# Altium PCB Yun75.PcbDoc (part 1 of 3) (continued)
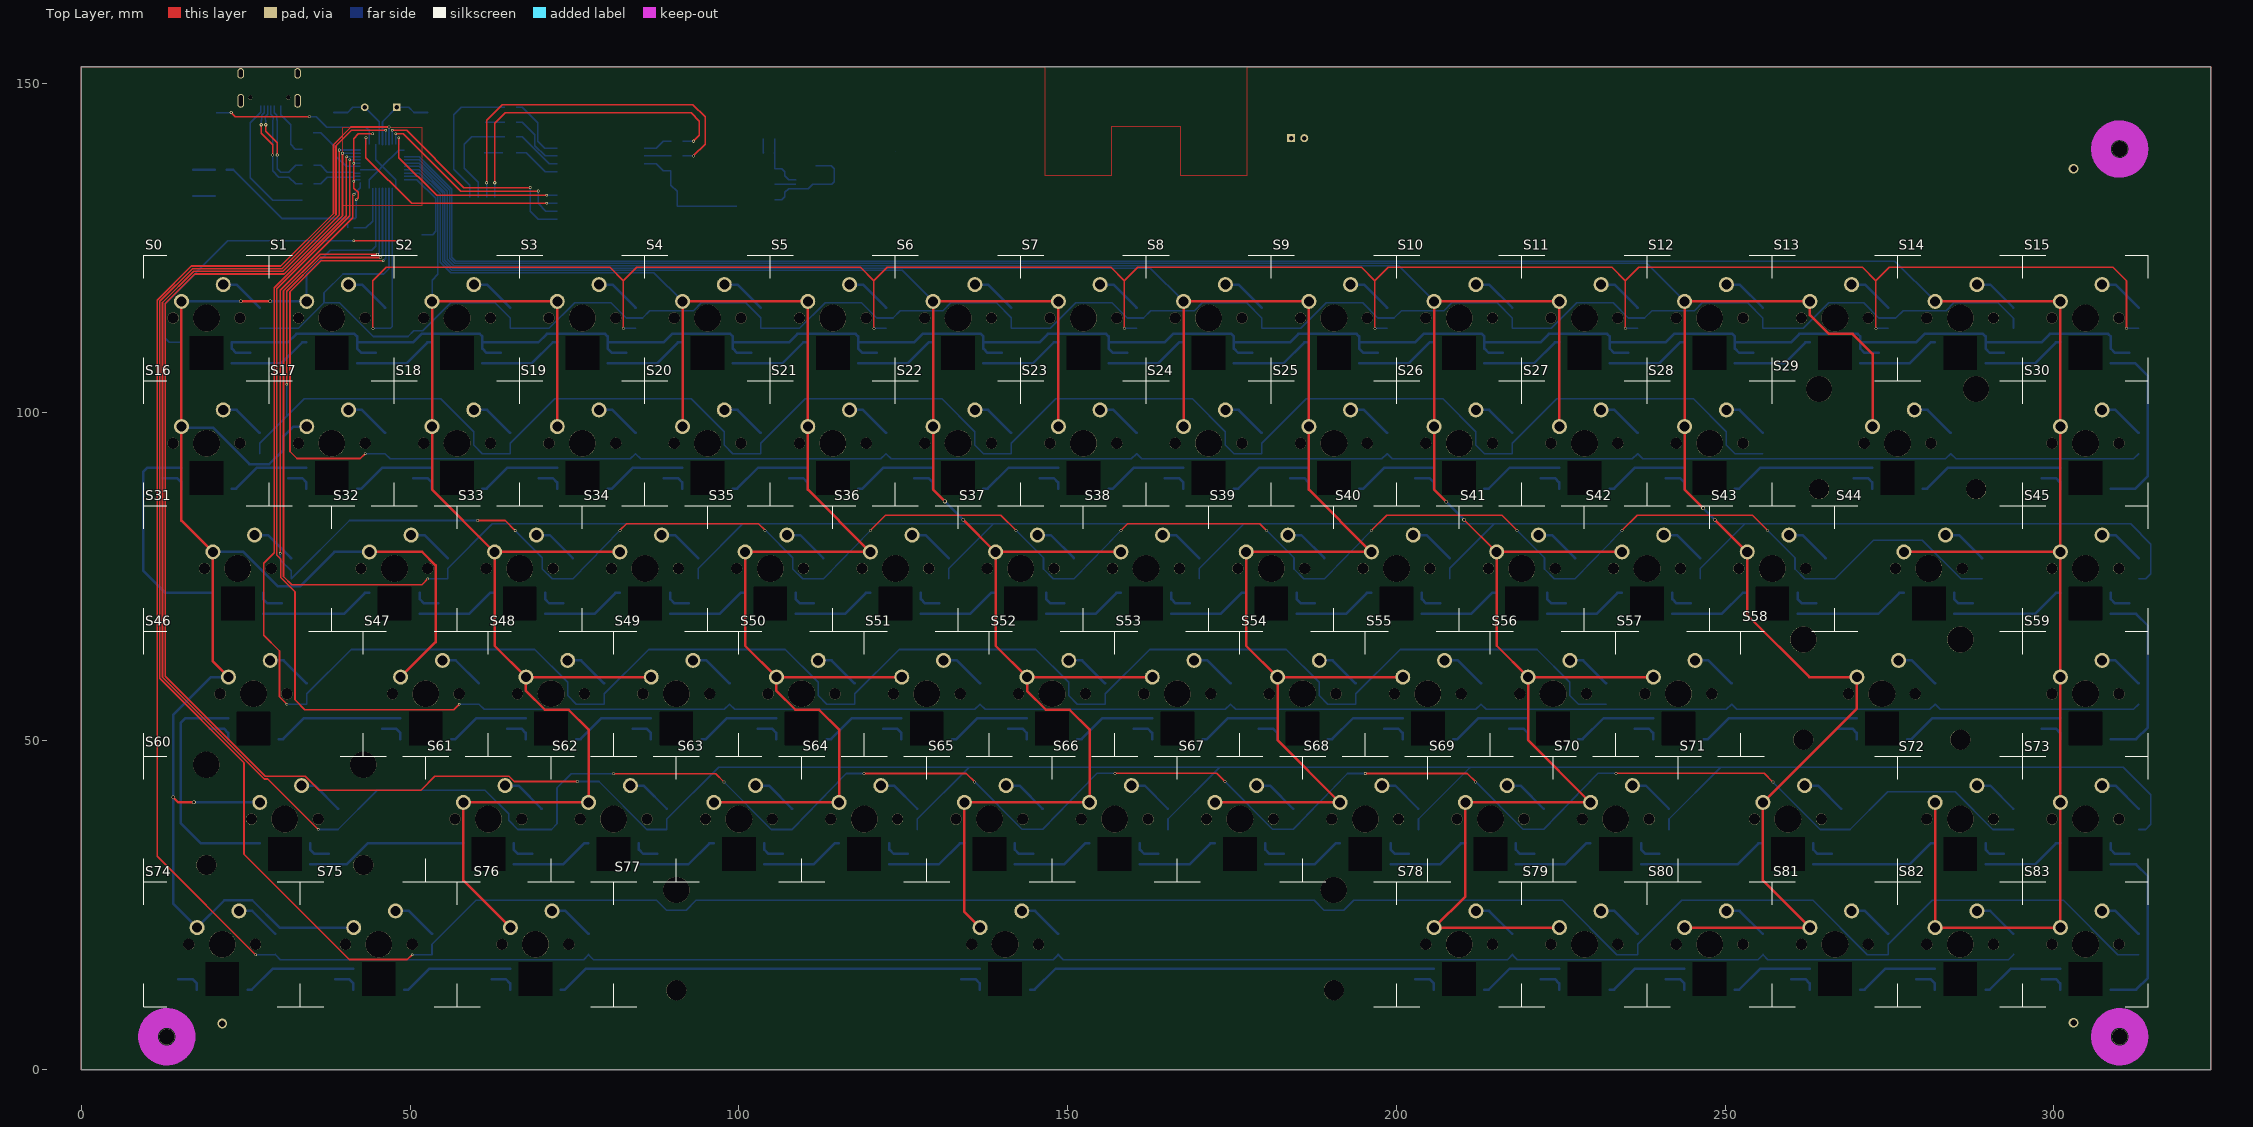
[diagram p0: Top Layer view]
## Classes and differential pairs (continued)
net class C20_Nets: GND VDD
net class C19_Nets: GND VDD
net class C18_Nets: GND VDD
net class C17_Nets: GND VDD
net class C7_Nets: GND NetC7_2
net class C6_Nets: GND NetC6_2
net class C5_Nets: GND NetC5_2
net class C4_Nets: GND VDD
net class C3_Nets: GND VDD
net class C2_Nets: GND VDD
net class C1_Nets: GND VDD
net class C0_Nets: GND NetC0_2
component class RGB_Matrix: C17 C18 C19 C20 C21 C22 C23 C24 C25 C26 C27 C28 C29 C30 C31 C32 C33 C34 C35 C36 C37 C38 C39 C40 C41 C42 C43 C44 C45 C46 C47 C48 C49 C50 C51 C52 C53 C54 C55 C56 C57 C58 C59 C60 C61 C62 C63 C64 C65 C66 C67 C68 C69 C70 C71 C72 C73 C74 C75 C76 C77 C78 C79 C80 C81 C82 C83 C84 C85 C86 C87 C88 C89 C90 C91 C92 C93 C94 C95 C96 C97 C98 C99 C100 D90 D91 D92 D93 D94 D95 D96 D97 D98 D99 D100 D101 D102 D103 D104 D105 D106 D107 D108 D109 D110 D111 D112 D113 D114 D115 D116 D117 D118 D119 D120 D121 D122 D123 D124 D125 D126 D127 D128 D129 D130 D131 D132 D133 D134 D135 D136 D137 D138 D139 D140 D141 D142 D143 D144 D145 D146 D147 D148 D149 D150 D151 D152 D153 D154 D155 D156 D157 D158 D159 D160 D161 D162 D163 D164 D165 D166 D167 D168 D169 D170 D171 D172 D173 U12
component class Processing_Rev2: C0 C1 C2 C3 C4 C5 C6 C7 J0 R0 R2 R3 R4 R5 R36 S84 S88 U0 Y0
component class Key_Matrix: D0 D1 D2 D3 D4 D5 D6 D7 D8 D9 D10 D11 D12 D13 D14 D15 D16 D17 D18 D19 D20 D21 D22 D23 D24 D25 D26 D27 D28 D29 D30 D31 D32 D33 D34 D35 D36 D37 D38 D39 D40 D41 D42 D43 D44 D45 D46 D47 D48 D49 D50 D51 D52 D53 D54 D55 D56 D57 D58 D59 D60 D61 D62 D63 D64 D65 D66 D67 D68 D69 D70 D71 D72 D73 D74 D75 D76 D77 D78 D79 D80 D81 D82 D83 S0 S1 S2 S3 S4 S5 S6 S7 S8 S9 S10 S11 S12 S13 S14 S15 S16 S17 S18 S19 S20 S21 S22 S23 S24 S25 S26 S27 S28 S29 S30 S31 S32 S33 S34 S35 S36 S37 S38 S39 S40 S41 S42 S43 S44 S45 S46 S47 S48 S49 S50 S51 S52 S53 S54 S55 S56 S57 S58 S59 S60 S61 S62 S63 S64 S65 S66 S67 S68 S69 S70 S71 S72 S73 S74 S75 S76 S77 S78 S79 S80 S81 S82 S83
component class BLE: D178 D179 D180 M0 R12 R13 R14 R15 R16 R17 R18 R19 S87 S89
component class Bat_USB_Switch: C107 C108 C109 C110 C111 C112 C113 C114 D181 D182 D183 D184 D185 J1 L0 L1 R21 R22 R23 R24 R25 R26 R31 R32 R33 R34 R35 U7 U8 U9 U10 U11 U13
differential pair MCUD: +MCUD_P -MCUD_N
differential pair D: +D_P -D_N

## Components (designator, comment, footprint, x,y, rotation, side; value= is the part's Value field where it differs from the comment)
C0 "1µF" "CAP 0805_2012" 34.5,142.5 r0 bottom
C1 "1µF" "CAP 0805_2012" 50.6,130.8 r180 bottom
C2 "0.1µF" "CAP 0805_2012" 41,130.8 r0 bottom
C3 "0.1µF" "CAP 0805_2012" 51.4,142 r180 bottom
C4 "0.1µF" "CAP 0805_2012" 40.2,142 r0 bottom
C5 "0.1µF" "CAP 0805_2012" 41,128 r0 bottom
C6 "18pF" "CAP 0805_2012" 52.7,146.35 r270 bottom
C7 "18pF" "CAP 0805_2012" 38.4,146.35 r270 bottom
C17 "0.1µF" "CAP 0805_2012" 26.5,109 r180 bottom
C18 "0.1µF" "CAP 0805_2012" 45.55,109 r180 bottom
C19 "0.1µF" "CAP 0805_2012" 64.6,109 r180 bottom
C20 "0.1µF" "CAP 0805_2012" 83.65,109 r180 bottom
C21 "0.1µF" "CAP 0805_2012" 102.7,109 r180 bottom
C22 "0.1µF" "CAP 0805_2012" 121.75,109 r180 bottom
C23 "0.1µF" "CAP 0805_2012" 140.8,109 r180 bottom
C24 "0.1µF" "CAP 0805_2012" 159.85,109 r180 bottom
C25 "0.1µF" "CAP 0805_2012" 178.9,109 r180 bottom
C26 "0.1µF" "CAP 0805_2012" 197.95,109 r180 bottom
C27 "0.1µF" "CAP 0805_2012" 217,109 r180 bottom
C28 "0.1µF" "CAP 0805_2012" 236.05,109 r180 bottom
C29 "0.1µF" "CAP 0805_2012" 255.1,109 r180 bottom
C30 "0.1µF" "CAP 0805_2012" 274.15,109 r180 bottom
C31 "0.1µF" "CAP 0805_2012" 293.2,109 r180 bottom
C32 "0.1µF" "CAP 0805_2012" 312.25,109 r180 bottom
C33 "0.1µF" "CAP 0805_2012" 297.35,89.95 r0 bottom
C34 "0.1µF" "CAP 0805_2012" 268.775,89.95 r0 bottom
C35 "0.1µF" "CAP 0805_2012" 240.2,89.95 r0 bottom
C36 "0.1µF" "CAP 0805_2012" 221.15,89.95 r0 bottom
C37 "0.1µF" "CAP 0805_2012" 202.1,89.95 r0 bottom
C38 "0.1µF" "CAP 0805_2012" 183.05,89.95 r0 bottom
C39 "0.1µF" "CAP 0805_2012" 164,89.95 r0 bottom
C40 "0.1µF" "CAP 0805_2012" 144.95,89.95 r0 bottom
C41 "0.1µF" "CAP 0805_2012" 125.9,89.95 r0 bottom
C42 "0.1µF" "CAP 0805_2012" 106.85,89.95 r0 bottom
C43 "0.1µF" "CAP 0805_2012" 87.8,89.95 r0 bottom
C44 "0.1µF" "CAP 0805_2012" 68.75,89.95 r0 bottom
C45 "0.1µF" "CAP 0805_2012" 49.7,89.95 r0 bottom
C46 "0.1µF" "CAP 0805_2012" 30.65,89.95 r0 bottom
C47 "0.1µF" "CAP 0805_2012" 11.6,89.95 r0 bottom
C48 "0.1µF" "CAP 0805_2012" 31.262,70.9 r180 bottom
C49 "0.1µF" "CAP 0805_2012" 55.075,70.9 r180 bottom
C50 "0.1µF" "CAP 0805_2012" 74.125,70.9 r180 bottom
C51 "0.1µF" "CAP 0805_2012" 93.175,70.9 r180 bottom
C52 "0.1µF" "CAP 0805_2012" 112.225,70.9 r180 bottom
C53 "0.1µF" "CAP 0805_2012" 131.275,70.9 r180 bottom
C54 "0.1µF" "CAP 0805_2012" 150.325,70.9 r180 bottom
C55 "0.1µF" "CAP 0805_2012" 169.375,70.9 r180 bottom
C56 "0.1µF" "CAP 0805_2012" 188.425,70.9 r180 bottom
C57 "0.1µF" "CAP 0805_2012" 207.475,70.9 r180 bottom
C58 "0.1µF" "CAP 0805_2012" 226.525,70.9 r180 bottom
C59 "0.1µF" "CAP 0805_2012" 245.575,70.9 r180 bottom
C60 "0.1µF" "CAP 0805_2012" 264.625,70.9 r180 bottom
C61 "0.1µF" "CAP 0805_2012" 288.438,70.9 r180 bottom
C62 "0.1µF" "CAP 0805_2012" 312.25,70.9 r180 bottom
C63 "0.1µF" "CAP 0805_2012" 297.35,51.85 r0 bottom
C64 "0.1µF" "CAP 0805_2012" 266.394,51.85 r0 bottom
C65 "0.1µF" "CAP 0805_2012" 235.438,51.85 r0 bottom
C66 "0.1µF" "CAP 0805_2012" 216.388,51.85 r0 bottom
C67 "0.1µF" "CAP 0805_2012" 197.338,51.85 r0 bottom
C68 "0.1µF" "CAP 0805_2012" 178.288,51.85 r0 bottom
C69 "0.1µF" "CAP 0805_2012" 159.238,51.85 r0 bottom
C70 "0.1µF" "CAP 0805_2012" 140.188,51.85 r0 bottom
C71 "0.1µF" "CAP 0805_2012" 121.138,51.85 r0 bottom
C72 "0.1µF" "CAP 0805_2012" 102.088,51.85 r0 bottom
C73 "0.1µF" "CAP 0805_2012" 83.038,51.85 r0 bottom
C74 "0.1µF" "CAP 0805_2012" 63.988,51.85 r0 bottom
C75 "0.1µF" "CAP 0805_2012" 44.938,51.85 r0 bottom
C76 "0.1µF" "CAP 0805_2012" 18.744,51.85 r0 bottom
C77 "0.1µF" "CAP 0805_2012" 38.406,32.8 r180 bottom
C78 "0.1µF" "CAP 0805_2012" 69.362,32.8 r180 bottom
C79 "0.1µF" "CAP 0805_2012" 88.412,32.8 r180 bottom
C80 "0.1µF" "CAP 0805_2012" 107.462,32.8 r180 bottom
C81 "0.1µF" "CAP 0805_2012" 126.512,32.8 r180 bottom
C82 "0.1µF" "CAP 0805_2012" 145.562,32.8 r180 bottom
C83 "0.1µF" "CAP 0805_2012" 164.612,32.8 r180 bottom
C84 "0.1µF" "CAP 0805_2012" 183.662,32.8 r180 bottom
C85 "0.1µF" "CAP 0805_2012" 202.712,32.8 r180 bottom
C86 "0.1µF" "CAP 0805_2012" 221.762,32.8 r180 bottom
C87 "0.1µF" "CAP 0805_2012" 240.812,32.8 r180 bottom
C88 "0.1µF" "CAP 0805_2012" 267.006,32.8 r180 bottom
C89 "0.1µF" "CAP 0805_2012" 293.2,32.8 r180 bottom
C90 "0.1µF" "CAP 0805_2012" 312.25,32.8 r180 bottom
C91 "0.1µF" "CAP 0805_2012" 297.35,13.75 r0 bottom
C92 "0.1µF" "CAP 0805_2012" 278.3,13.75 r0 bottom
C93 "0.1µF" "CAP 0805_2012" 259.25,13.75 r0 bottom
C94 "0.1µF" "CAP 0805_2012" 240.2,13.75 r0 bottom
C95 "0.1µF" "CAP 0805_2012" 221.15,13.75 r0 bottom
C96 "0.1µF" "CAP 0805_2012" 202.1,13.75 r0 bottom
C97 "0.1µF" "CAP 0805_2012" 133.044,13.75 r0 bottom
C98 "0.1µF" "CAP 0805_2012" 61.606,13.75 r0 bottom
C99 "0.1µF" "CAP 0805_2012" 37.794,13.75 r0 bottom
C100 "0.1µF" "CAP 0805_2012" 13.981,13.75 r0 bottom
C107 "0.1µF" "CAP 0805_2012" 122.4,135.125 r90 bottom
C108 "0.1µF" "CAP 0805_2012" 128.9,135.125 r90 bottom
C109 "2.2µF" "CAP 0805_2012" 124.4,141.885 r270 bottom
C110 "4.7µF" "CAP 0805_2012" 118.9,140 r270 bottom
C111 "2.2µF" "CAP 0805_2012" 116.885,137.175 r90 bottom
C112 "0.1µF" "CAP 0805_2012" 110.9,137.445 r0 bottom
C113 "68uF" "CAP POL 2917/7343" 98,139.219 r90 bottom
C114 "39pF" "CAP 0805_2012" 104.625,139.355 r180 bottom
D0 "1N4148W-HE3-08" SOD-123 27.146,114.3 r270 bottom
D1 "1N4148W-HE3-08" SOD-123 46.196,114.3 r270 bottom
D2 "1N4148W-HE3-08" SOD-123 65.246,114.3 r270 bottom
D3 "1N4148W-HE3-08" SOD-123 84.296,114.3 r270 bottom
D4 "1N4148W-HE3-08" SOD-123 103.346,114.3 r270 bottom
D5 "1N4148W-HE3-08" SOD-123 122.396,114.3 r270 bottom
D6 "1N4148W-HE3-08" SOD-123 141.446,114.3 r270 bottom
D7 "1N4148W-HE3-08" SOD-123 160.496,114.3 r270 bottom
D8 "1N4148W-HE3-08" SOD-123 179.546,114.3 r270 bottom
D9 "1N4148W-HE3-08" SOD-123 198.596,114.3 r270 bottom
D10 "1N4148W-HE3-08" SOD-123 217.646,114.3 r270 bottom
D11 "1N4148W-HE3-08" SOD-123 236.696,114.3 r270 bottom
D12 "1N4148W-HE3-08" SOD-123 255.746,114.3 r270 bottom
D13 "1N4148W-HE3-08" SOD-123 274.796,114.3 r270 bottom
D14 "1N4148W-HE3-08" SOD-123 293.846,114.3 r270 bottom
D15 "1N4148W-HE3-08" SOD-123 312.896,114.3 r270 bottom
D16 "1N4148W-HE3-08" SOD-123 27.146,95.25 r270 bottom
D17 "1N4148W-HE3-08" SOD-123 46.196,95.25 r270 bottom
D18 "1N4148W-HE3-08" SOD-123 65.246,95.25 r270 bottom
D19 "1N4148W-HE3-08" SOD-123 84.296,95.25 r270 bottom
D20 "1N4148W-HE3-08" SOD-123 103.346,95.25 r270 bottom
D21 "1N4148W-HE3-08" SOD-123 122.396,95.25 r270 bottom
D22 "1N4148W-HE3-08" SOD-123 141.446,95.25 r270 bottom
D23 "1N4148W-HE3-08" SOD-123 160.496,95.25 r270 bottom
D24 "1N4148W-HE3-08" SOD-123 179.546,95.25 r270 bottom
D25 "1N4148W-HE3-08" SOD-123 198.596,95.25 r270 bottom
D26 "1N4148W-HE3-08" SOD-123 217.646,95.25 r270 bottom
D27 "1N4148W-HE3-08" SOD-123 236.696,95.25 r270 bottom
D28 "1N4148W-HE3-08" SOD-123 255.746,95.25 r270 bottom
D29 "1N4148W-HE3-08" SOD-123 284.321,95.25 r270 bottom
D30 "1N4148W-HE3-08" SOD-123 312.896,95.25 r270 bottom
D31 "1N4148W-HE3-08" SOD-123 31.908,76.2 r270 bottom
D32 "1N4148W-HE3-08" SOD-123 55.721,76.2 r270 bottom
D33 "1N4148W-HE3-08" SOD-123 74.771,76.2 r270 bottom
D34 "1N4148W-HE3-08" SOD-123 93.821,76.2 r270 bottom
D35 "1N4148W-HE3-08" SOD-123 112.871,76.2 r270 bottom
D36 "1N4148W-HE3-08" SOD-123 131.921,76.2 r270 bottom
D37 "1N4148W-HE3-08" SOD-123 150.971,76.2 r270 bottom
D38 "1N4148W-HE3-08" SOD-123 170.021,76.2 r270 bottom
D39 "1N4148W-HE3-08" SOD-123 189.071,76.2 r270 bottom
D40 "1N4148W-HE3-08" SOD-123 208.121,76.2 r270 bottom
D41 "1N4148W-HE3-08" SOD-123 227.171,76.2 r270 bottom
D42 "1N4148W-HE3-08" SOD-123 246.221,76.2 r270 bottom
D43 "1N4148W-HE3-08" SOD-123 265.271,76.2 r270 bottom
D44 "1N4148W-HE3-08" SOD-123 289.084,76.2 r270 bottom
D45 "1N4148W-HE3-08" SOD-123 312.896,76.2 r270 bottom
D46 "1N4148W-HE3-08" SOD-123 34.29,57.15 r270 bottom
D47 "1N4148W-HE3-08" SOD-123 60.484,57.15 r270 bottom
D48 "1N4148W-HE3-08" SOD-123 79.534,57.15 r270 bottom
D49 "1N4148W-HE3-08" SOD-123 98.584,57.15 r270 bottom
D50 "1N4148W-HE3-08" SOD-123 117.634,57.15 r270 bottom
D51 "1N4148W-HE3-08" SOD-123 136.684,57.15 r270 bottom
D52 "1N4148W-HE3-08" SOD-123 155.734,57.15 r270 bottom
D53 "1N4148W-HE3-08" SOD-123 174.784,57.15 r270 bottom
D54 "1N4148W-HE3-08" SOD-123 193.834,57.15 r270 bottom
D55 "1N4148W-HE3-08" SOD-123 212.884,57.15 r270 bottom
D56 "1N4148W-HE3-08" SOD-123 231.934,57.15 r270 bottom
D57 "1N4148W-HE3-08" SOD-123 250.984,57.15 r270 bottom
D58 "1N4148W-HE3-08" SOD-123 281.94,57.15 r270 bottom
D59 "1N4148W-HE3-08" SOD-123 312.896,57.15 r270 bottom
D60 "1N4148W-HE3-08" SOD-123 39.052,38.1 r270 bottom
D61 "1N4148W-HE3-08" SOD-123 70.009,38.1 r270 bottom
D62 "1N4148W-HE3-08" SOD-123 89.059,38.1 r270 bottom
D63 "1N4148W-HE3-08" SOD-123 108.109,38.1 r270 bottom
D64 "1N4148W-HE3-08" SOD-123 127.159,38.1 r270 bottom
D65 "1N4148W-HE3-08" SOD-123 146.209,38.1 r270 bottom
D66 "1N4148W-HE3-08" SOD-123 165.259,38.1 r270 bottom
D67 "1N4148W-HE3-08" SOD-123 184.309,38.1 r270 bottom
D68 "1N4148W-HE3-08" SOD-123 203.359,38.1 r270 bottom
D69 "1N4148W-HE3-08" SOD-123 222.409,38.1 r270 bottom
D70 "1N4148W-HE3-08" SOD-123 241.459,38.1 r270 bottom
D71 "1N4148W-HE3-08" SOD-123 267.652,38.1 r270 bottom
D72 "1N4148W-HE3-08" SOD-123 293.846,38.1 r270 bottom
D73 "1N4148W-HE3-08" SOD-123 312.896,38.1 r270 bottom
D74 "1N4148W-HE3-08" SOD-123 29.527,19.05 r270 bottom
D75 "1N4148W-HE3-08" SOD-123 53.34,19.05 r270 bottom
D76 "1N4148W-HE3-08" SOD-123 77.152,19.05 r270 bottom
D77 "1N4148W-HE3-08" SOD-123 148.591,19.05 r270 bottom
D78 "1N4148W-HE3-08" SOD-123 217.647,19.05 r270 bottom
D79 "1N4148W-HE3-08" SOD-123 236.696,19.05 r270 bottom
D80 "1N4148W-HE3-08" SOD-123 255.747,19.05 r270 bottom
D81 "1N4148W-HE3-08" SOD-123 274.796,19.05 r270 bottom
D82 "1N4148W-HE3-08" SOD-123 293.846,19.05 r270 bottom
D83 "1N4148W-HE3-08" SOD-123 312.896,19.05 r270 bottom
D90 "1655" WS2182b_Underside 19.05,109 r180 bottom
D91 "1655" WS2182b_Underside 38.1,109 r180 bottom
D92 "1655" WS2182b_Underside 57.15,109 r180 bottom
D93 "1655" WS2182b_Underside 76.2,109 r180 bottom
D94 "1655" WS2182b_Underside 95.25,109 r180 bottom
D95 "1655" WS2182b_Underside 114.3,109 r180 bottom
D96 "1655" WS2182b_Underside 133.35,109 r180 bottom
D97 "1655" WS2182b_Underside 152.4,109 r180 bottom
D98 "1655" WS2182b_Underside 171.45,109 r180 bottom
D99 "1655" WS2182b_Underside 190.5,109 r180 bottom
D100 "1655" WS2182b_Underside 209.55,109 r180 bottom
D101 "1655" WS2182b_Underside 228.6,109 r180 bottom
D102 "1655" WS2182b_Underside 247.65,109 r180 bottom
D103 "1655" WS2182b_Underside 266.7,109 r180 bottom
D104 "1655" WS2182b_Underside 285.75,109 r180 bottom
D105 "1655" WS2182b_Underside 304.8,109 r180 bottom
D106 "1655" WS2182b_Underside 304.8,89.95 r0 bottom
D107 "1655" WS2182b_Underside 276.225,89.95 r0 bottom
D108 "1655" WS2182b_Underside 247.65,89.95 r0 bottom
D109 "1655" WS2182b_Underside 228.6,89.95 r0 bottom
D110 "1655" WS2182b_Underside 209.55,89.95 r0 bottom
D111 "1655" WS2182b_Underside 190.5,89.95 r0 bottom
D112 "1655" WS2182b_Underside 171.45,89.95 r0 bottom
D113 "1655" WS2182b_Underside 152.4,89.95 r0 bottom
D114 "1655" WS2182b_Underside 133.35,89.95 r0 bottom
D115 "1655" WS2182b_Underside 114.3,89.95 r0 bottom
D116 "1655" WS2182b_Underside 95.25,89.95 r0 bottom
D117 "1655" WS2182b_Underside 76.2,89.95 r0 bottom
D118 "1655" WS2182b_Underside 57.15,89.95 r0 bottom
D119 "1655" WS2182b_Underside 38.1,89.95 r0 bottom
D120 "1655" WS2182b_Underside 19.05,89.95 r0 bottom
D121 "1655" WS2182b_Underside 23.812,70.9 r180 bottom
D122 "1655" WS2182b_Underside 47.625,70.9 r180 bottom
D123 "1655" WS2182b_Underside 66.675,70.9 r180 bottom
D124 "1655" WS2182b_Underside 85.725,70.9 r180 bottom
D125 "1655" WS2182b_Underside 104.775,70.9 r180 bottom
D126 "1655" WS2182b_Underside 123.825,70.9 r180 bottom
D127 "1655" WS2182b_Underside 142.875,70.9 r180 bottom
D128 "1655" WS2182b_Underside 161.925,70.9 r180 bottom
D129 "1655" WS2182b_Underside 180.975,70.9 r180 bottom
D130 "1655" WS2182b_Underside 200.025,70.9 r180 bottom
D131 "1655" WS2182b_Underside 219.075,70.9 r180 bottom
D132 "1655" WS2182b_Underside 238.125,70.9 r180 bottom
D133 "1655" WS2182b_Underside 257.175,70.9 r180 bottom
D134 "1655" WS2182b_Underside 280.988,70.9 r180 bottom
D135 "1655" WS2182b_Underside 304.8,70.9 r180 bottom
D136 "1655" WS2182b_Underside 304.8,51.85 r0 bottom
D137 "1655" WS2182b_Underside 273.844,51.85 r0 bottom
D138 "1655" WS2182b_Underside 242.888,51.85 r0 bottom
D139 "1655" WS2182b_Underside 223.838,51.85 r0 bottom
D140 "1655" WS2182b_Underside 204.788,51.85 r0 bottom
D141 "1655" WS2182b_Underside 185.738,51.85 r0 bottom
D142 "1655" WS2182b_Underside 166.688,51.85 r0 bottom
D143 "1655" WS2182b_Underside 147.638,51.85 r0 bottom
D144 "1655" WS2182b_Underside 128.588,51.85 r0 bottom
D145 "1655" WS2182b_Underside 109.538,51.85 r0 bottom
D146 "1655" WS2182b_Underside 90.488,51.85 r0 bottom
D147 "1655" WS2182b_Underside 71.438,51.85 r0 bottom
D148 "1655" WS2182b_Underside 52.388,51.85 r0 bottom
D149 "1655" WS2182b_Underside 26.194,51.85 r0 bottom
D150 "1655" WS2182b_Underside 30.956,32.8 r180 bottom
D151 "1655" WS2182b_Underside 61.912,32.8 r180 bottom
D152 "1655" WS2182b_Underside 80.962,32.8 r180 bottom
D153 "1655" WS2182b_Underside 100.012,32.8 r180 bottom
D154 "1655" WS2182b_Underside 119.062,32.8 r180 bottom
D155 "1655" WS2182b_Underside 138.112,32.8 r180 bottom
D156 "1655" WS2182b_Underside 157.162,32.8 r180 bottom
D157 "1655" WS2182b_Underside 176.212,32.8 r180 bottom
D158 "1655" WS2182b_Underside 195.262,32.8 r180 bottom
D159 "1655" WS2182b_Underside 214.312,32.8 r180 bottom
D160 "1655" WS2182b_Underside 233.362,32.8 r180 bottom
D161 "1655" WS2182b_Underside 259.556,32.8 r180 bottom
D162 "1655" WS2182b_Underside 285.75,32.8 r180 bottom
D163 "1655" WS2182b_Underside 304.8,32.8 r180 bottom
D164 "1655" WS2182b_Underside 304.8,13.75 r0 bottom
D165 "1655" WS2182b_Underside 285.75,13.75 r0 bottom
D166 "1655" WS2182b_Underside 266.7,13.75 r0 bottom
D167 "1655" WS2182b_Underside 247.65,13.75 r0 bottom
D168 "1655" WS2182b_Underside 228.6,13.75 r0 bottom
D169 "1655" WS2182b_Underside 209.55,13.75 r0 bottom
D170 "1655" WS2182b_Underside 140.494,13.75 r0 bottom
D171 "1655" WS2182b_Underside 69.056,13.75 r0 bottom
D172 "1655" WS2182b_Underside 45.244,13.75 r0 bottom
D173 "1655" WS2182b_Underside 21.431,13.75 r0 bottom
D178 "Red" "LED 0805_2012 RED" 66,129.6 r270 bottom
D179 "White" "LED 0805_2012" 65.125,139.45 r180 bottom
D180 "Green" "LED 0805_2012 GREEN" 60.375,144.1 r0 bottom
D181 "Green" "LED 0805_2012 GREEN" 125.4,133.9 r0 bottom
D182 "DB2X20600L" SOD123F 133.15,136.505 r0 bottom
D183 "DB2X20600L" SOD123F 127.708,142.575 r180 bottom
D184 "DB2X20600L" SOD123F 127.708,140.075 r180 bottom
D185 "B220A-13-F" SMA 111.257,141.19 r0 bottom value=Value
J0 "USB-C Socket" TYPE-C-31-M-12 28.575,150 r0 bottom
J1 "S2B-PH-K-S(LF)(SN)" JST_S2B-PH-K-S(LF)(SN) 185,141.65 r180 bottom
L0 "LQM2HPN1R0MJ0L" INDC1008X04 120.9,140.64 r270 bottom
L1 "6.8uH" "TDK VLS201612HBX-1" 116.885,140.44 r270 bottom
M0 "RN42 Module" RN42-LAND 85.65,126.35 r180 bottom value=RN42
R0 "1 kOhms" "RES 0805_2012" 21.175,132.85 r180 bottom
R2 "22 Ohms" "RES 0805_2012" 34.5,137.5 r0 bottom
R3 "22 Ohms" "RES 0805_2012" 34.5,134.7 r0 bottom
R4 "5.1 kOhms" "RES 0805_2012" 34.5,132.2 r180 bottom
R5 "5.1 kOhms" "RES 0805_2012" 34.5,140 r180 bottom
R12 "470 kOhms" "RES 0805_2012" 65.3,144.1 r180 bottom
R13 "470 kOhms" "RES 0805_2012" 66.875,126.05 r180 bottom
R14 "3.3 kOhms" "RES 0805_2012" 65.3,146.35 r180 bottom
R15 "3.3 kOhms" "RES 0805_2012" 65.3,141.85 r180 bottom
R16 "3.3 kOhms" "RES 0805_2012" 90.575,138.95 r0 bottom
R17 "3.3 kOhms" "RES 0805_2012" 90.575,141.2 r0 bottom
R18 "10 kOhms" "RES 0805_2012" 90.55,136.7 r180 bottom
R19 "470 kOhms" "RES 0805_2012" 60.375,139.45 r0 bottom
R21 "1 MOhms" "RES 0805_2012" 138.15,143.3 r270 bottom
R22 "1 MOhms" "RES 0805_2012" 137.925,136.6 r0 bottom
R23 "10 kOhms" "RES 0805_2012" 140.4,148.325 r90 bottom
R24 "100 kOhms" "RES 0805_2012" 138.9,148.325 r270 bottom
R25 "3.6 kOhms" "RES 0805_2012" 120.9,136.87 r90 bottom
R26 "10 kOhms" "RES 0805_2012" 125.4,132.4 r0 bottom
R31 "1 MOhms" "RES 0805_2012" 144,136.6 r270 bottom
R32 "200 kOhms" "RES 0805_2012" 104.625,134.655 r0 bottom
R33 "499 Ohms" "RES 0805_2012" 104.625,132.305 r180 bottom
R34 "150 kOhms" "RES 0805_2012" 104.625,141.59 r180 bottom
R35 "49.9 kOhms" "RES 0805_2012" 104.625,137.005 r0 bottom
R36 "1 kOhms" "RES 0805_2012" 21.175,136.85 r180 bottom
S0 "Cherry" CHERRY-MX-LED-1U 19.05,114.3 r0 top
S1 "Cherry" CHERRY-MX-LED-1U 38.1,114.3 r0 top
S2 "Cherry" CHERRY-MX-LED-1U 57.15,114.3 r0 top
S3 "Cherry" CHERRY-MX-LED-1U 76.2,114.3 r0 top
S4 "Cherry" CHERRY-MX-LED-1U 95.25,114.3 r0 top
S5 "Cherry" CHERRY-MX-LED-1U 114.3,114.3 r0 top
S6 "Cherry" CHERRY-MX-LED-1U 133.35,114.3 r0 top
S7 "Cherry" CHERRY-MX-LED-1U 152.4,114.3 r0 top
S8 "Cherry" CHERRY-MX-LED-1U 171.45,114.3 r0 top
S9 "Cherry" CHERRY-MX-LED-1U 190.5,114.3 r0 top
S10 "Cherry" CHERRY-MX-LED-1U 209.55,114.3 r0 top
S11 "Cherry" CHERRY-MX-LED-1U 228.6,114.3 r0 top
S12 "Cherry" CHERRY-MX-LED-1U 247.65,114.3 r0 top
S13 "Cherry" CHERRY-MX-LED-1U 266.7,114.3 r0 top
S14 "Cherry" CHERRY-MX-LED-1U 285.75,114.3 r0 top
S15 "Cherry" CHERRY-MX-LED-1U 304.8,114.3 r0 top
S16 "Cherry" CHERRY-MX-LED-1U 19.05,95.25 r0 top
S17 "Cherry" CHERRY-MX-LED-1U 38.1,95.25 r0 top
S18 "Cherry" CHERRY-MX-LED-1U 57.15,95.25 r0 top
S19 "Cherry" CHERRY-MX-LED-1U 76.2,95.25 r0 top
S20 "Cherry" CHERRY-MX-LED-1U 95.25,95.25 r0 top
S21 "Cherry" CHERRY-MX-LED-1U 114.3,95.25 r0 top
S22 "Cherry" CHERRY-MX-LED-1U 133.35,95.25 r0 top
S23 "Cherry" CHERRY-MX-LED-1U 152.4,95.25 r0 top
S24 "Cherry" CHERRY-MX-LED-1U 171.45,95.25 r0 top
S25 "Cherry" CHERRY-MX-LED-1U 190.5,95.25 r0 top
S26 "Cherry" CHERRY-MX-LED-1U 209.55,95.25 r0 top
S27 "Cherry" CHERRY-MX-LED-1U 228.6,95.25 r0 top
S28 "Cherry" CHERRY-MX-LED-1U 247.65,95.25 r0 top
S29 "Cherry" CHERRY-MX-LED-2U 276.225,95.25 r0 top
S30 "Cherry" CHERRY-MX-LED-1U 304.8,95.25 r0 top
S31 "Cherry" CHERRY-MX-LED-1.5U 23.812,76.2 r0 top
S32 "Cherry" CHERRY-MX-LED-1U 47.625,76.2 r0 top
S33 "Cherry" CHERRY-MX-LED-1U 66.675,76.2 r0 top
S34 "Cherry" CHERRY-MX-LED-1U 85.725,76.2 r0 top
S35 "Cherry" CHERRY-MX-LED-1U 104.775,76.2 r0 top
S36 "Cherry" CHERRY-MX-LED-1U 123.825,76.2 r0 top
S37 "Cherry" CHERRY-MX-LED-1U 142.875,76.2 r0 top
S38 "Cherry" CHERRY-MX-LED-1U 161.925,76.2 r0 top
S39 "Cherry" CHERRY-MX-LED-1U 180.975,76.2 r0 top
S40 "Cherry" CHERRY-MX-LED-1U 200.025,76.2 r0 top
S41 "Cherry" CHERRY-MX-LED-1U 219.075,76.2 r0 top
S42 "Cherry" CHERRY-MX-LED-1U 238.125,76.2 r0 top
S43 "Cherry" CHERRY-MX-LED-1U 257.175,76.2 r0 top
S44 "Cherry" CHERRY-MX-LED-1.5U 280.988,76.2 r0 top
S45 "Cherry" CHERRY-MX-LED-1U 304.8,76.2 r0 top
S46 "Cherry" CHERRY-MX-LED-1.75U 26.194,57.15 r0 top
S47 "Cherry" CHERRY-MX-LED-1U 52.388,57.15 r0 top
S48 "Cherry" CHERRY-MX-LED-1U 71.438,57.15 r0 top
S49 "Cherry" CHERRY-MX-LED-1U 90.488,57.15 r0 top
S50 "Cherry" CHERRY-MX-LED-1U 109.538,57.15 r0 top
S51 "Cherry" CHERRY-MX-LED-1U 128.588,57.15 r0 top
S52 "Cherry" CHERRY-MX-LED-1U 147.638,57.15 r0 top
S53 "Cherry" CHERRY-MX-LED-1U 166.688,57.15 r0 top
S54 "Cherry" CHERRY-MX-LED-1U 185.738,57.15 r0 top
S55 "Cherry" CHERRY-MX-LED-1U 204.788,57.15 r0 top
S56 "Cherry" CHERRY-MX-LED-1U 223.838,57.15 r0 top
S57 "Cherry" CHERRY-MX-LED-1U 242.888,57.15 r0 top
S58 "Cherry" CHERRY-MX-LED-2.25U 273.844,57.15 r0 top
S59 "Cherry" CHERRY-MX-LED-1U 304.8,57.15 r0 top
S60 "Cherry" CHERRY-MX-LED-2.25U 30.956,38.1 r0 top
S61 "Cherry" CHERRY-MX-LED-1U 61.912,38.1 r0 top
S62 "Cherry" CHERRY-MX-LED-1U 80.962,38.1 r0 top
S63 "Cherry" CHERRY-MX-LED-1U 100.012,38.1 r0 top
S64 "Cherry" CHERRY-MX-LED-1U 119.062,38.1 r0 top
S65 "Cherry" CHERRY-MX-LED-1U 138.112,38.1 r0 top
S66 "Cherry" CHERRY-MX-LED-1U 157.162,38.1 r0 top
S67 "Cherry" CHERRY-MX-LED-1U 176.212,38.1 r0 top
S68 "Cherry" CHERRY-MX-LED-1U 195.262,38.1 r0 top
S69 "Cherry" CHERRY-MX-LED-1U 214.312,38.1 r0 top
S70 "Cherry" CHERRY-MX-LED-1U 233.362,38.1 r0 top
S71 "Cherry" CHERRY-MX-LED-1.75U 259.556,38.1 r0 top
S72 "Cherry" CHERRY-MX-LED-1U 285.75,38.1 r0 top
S73 "Cherry" CHERRY-MX-LED-1U 304.8,38.1 r0 top
S74 "Cherry" CHERRY-MX-LED-1.25U 21.431,19.05 r0 top
S75 "Cherry" CHERRY-MX-LED-1.25U 45.244,19.05 r0 top
S76 "Cherry" CHERRY-MX-LED-1.25U 69.056,19.05 r0 top
S77 "Cherry" CHERRY-MX-LED-6.25U 140.494,19.05 r0 top
S78 "Cherry" CHERRY-MX-LED-1U 209.55,19.05 r0 top
S79 "Cherry" CHERRY-MX-LED-1U 228.6,19.05 r0 top
S80 "Cherry" CHERRY-MX-LED-1U 247.65,19.05 r0 top
S81 "Cherry" CHERRY-MX-LED-1U 266.7,19.05 r0 top
S82 "Cherry" CHERRY-MX-LED-1U 285.75,19.05 r0 top
S83 "Cherry" CHERRY-MX-LED-1U 304.8,19.05 r0 top
S84 "SS312SAH4-R" "NKK SS312SAH4" 14.175,134.85 r0 bottom
S87 "Switch_Omron_A6H-4101_eec" Omron_A6H-4101_0 61,129.6 r90 bottom
S88 "FSMSMTR" "TE FSMSMTR" 15.91,145.55 r270 bottom
S89 "FSM4JSMATR" "TE FSM4JSMA" 95.15,129.05 r270 bottom
U0 "MCU-ATMEGA32U4-MUR(VQFN44)" QFN44G-0.5-7X7MM_MCU-ATMEGA32U4-MUR(VQFN44)(Primary) 45.8,137.35 r0 bottom
U7 "MCP73812T-420I/OT" *SOT95P270X145-5N 125.4,136.505 r180 bottom
U8 "BC847BW" SOT323 141.286,136.6 r270 bottom value=Value
U9 "BC847BW" SOT323 136.122,148.325 r270 bottom value=Value
U10 "SiP32431" SiP32431_TDFN4 133.15,138.575 r90 bottom
U11 "TPS62237DRYT" DRY6 123.4,140.075 r270 bottom
U12 "SN74LV1T34DBVR" SOT95P280X145-5N 50.5,127 r180 bottom
U13 "LM2621MM" SOP65P490X110-8N 110.9,134.325 r0 bottom
Y0 "Crys_Abracon_ABL-16.000MHZ-B2_eec" Abracon_ABL-16.000MHZ-B2_0 45.55,146.35 r180 bottom

## Footprints (in the part's own frame and the unit in brackets; to place one, negate y for a bottom-side part, rotate by r counter-clockwise, add the part's x,y. Pads: shape width x height; smd on the part's side, far side on the other; paste and mask are expansions set on the pad)
*SOT95P270X145-5N [mil]
  rect 52x22 smd: 1(-54,37) 2(-54,0) 3(-54,-37) 4(54,-37) 5(54,37)
  silkscreen extent -25,49 25,61
Abracon_ABL-16.000MHZ-B2_0 [mm]
  rect 1.15x1.15 hole 0.65 paste-1000 mask+0: 1(-2.44,0)
  round 1.15 hole 0.65 paste-1000 mask+0: 2(2.44,0)
  silkscreen extent -5.75,-2.5 5.75,2.5, body extent -5.75,-2.5 5.75,2.5, height 3.79
"CAP 0805_2012" [mm] "Chip Capacitor, 2-Leads, Body 2.00x1.20mm, IPC Medium Density"
  rect 1.3x1.4 smd: 1(-0.8,0) 2(0.8,0)
  silkscreen extent -1.7,-0.9 1.7,0.9, body extent -1,-0.64 1,0.64, height 1.26
"CAP POL 2917/7343" [mm] "Molded Capacitor, 2-Leads, Body 7.30x4.30mm, IPC Medium Density"
  rect 2.55x2.45 smd: 1(-3.025,0) 2(3.025,0)
  silkscreen extent -4.57,-2.3 3.8,2.3, body extent -3.65,-2.15 3.65,2.15, height 4.1
CHERRY-MX-LED-1.5U [mil]
  round 90 / inner round 60 / far side round 90 hole 60: 0(-150,100) 1(100,200)
  round 160 hole 160 unplated mask+0: 2(0,0)
  round 67 hole 67 unplated mask+0: 3(-200,0) 4(200,0)
  silkscreen extent -562,-375 562,375
CHERRY-MX-LED-1.25U [mil]
  round 90 / inner round 60 / far side round 90 hole 60: 0(-150,100) 1(100,200)
  round 160 hole 160 unplated mask+0: 2(0,0)
  round 67 hole 67 unplated mask+0: 3(-200,0) 4(200,0)
  silkscreen extent -469,-375 469,375
CHERRY-MX-LED-1.75U [mil]
  round 90 / inner round 60 / far side round 90 hole 60: 0(-150,100) 1(100,200)
  round 160 hole 160 unplated mask+0: 2(0,0)
  round 67 hole 67 unplated mask+0: 3(-200,0) 4(200,0)
  silkscreen extent -656,-375 656,375
CHERRY-MX-LED-1U [mil]
  round 90 / inner round 60 / far side round 90 hole 60: 0(-150,100) 1(100,200)
  round 160 hole 160 unplated mask+0: 2(0,0)
  round 67 hole 67 unplated mask+0: 3(-200,0) 4(200,0)
  silkscreen extent -375,-375 375,375
CHERRY-MX-LED-2.25U [mil]
  round 90 / inner round 60 / far side round 90 hole 60: 0(-150,100) 1(100,200)
  round 160 hole 160 unplated mask+0: 2(0,0)
  round 67 hole 67 unplated mask+0: 3(-200,0) 4(200,0)
  round 157 hole 157 unplated mask+0: 5(-470,325) 7(470,325)
  round 120 hole 120 unplated mask+0: 6(-470,-275) 8(470,-275)
  silkscreen extent -844,-375 844,375
CHERRY-MX-LED-2U [mil]
  round 90 / inner round 60 / far side round 90 hole 60: 0(-150,100) 1(100,200)
  round 160 hole 160 unplated mask+0: 2(0,0)
  round 67 hole 67 unplated mask+0: 3(-200,0) 4(200,0)
  round 157 hole 157 unplated mask+0: 5(-470,325) 7(470,325)
  round 120 hole 120 unplated mask+0: 6(-470,-275) 8(470,-275)
  silkscreen extent -750,-375 750,375
CHERRY-MX-LED-6.25U [mil]
  round 90 / inner round 60 / far side round 90 hole 60: 0(-150,100) 1(100,200)
  round 160 hole 160 unplated mask+0: 2(0,0)
  round 67 hole 67 unplated mask+0: 3(-200,0) 4(200,0)
  round 157 hole 157 unplated mask+0: 5(-1968.5,325) 7(1968.5,325)
  round 120 hole 120 unplated mask+0: 6(-1968.5,-275) 8(1968.5,-275)
  silkscreen extent -2344,-375 2344,375
DRY6 [mm] "PSON, 6-Leads, Body 1x1.45mm, Pitch 0.5mm, TI Recommended"
  rect 0.52x0.3 smd paste+0 mask+0.05: 1(-0.385,0.5)
  rect 0.49x0.3 smd paste+0 mask+0.05: 2(-0.385,0) 3(-0.385,-0.5) 4(0.385,-0.5) 5(0.385,0) 6(0.385,0.5)
  silkscreen extent -0.57,0.9 -0.48,1, body extent -0.53,-0.75 0.53,0.75, height 0.6
INDC1008X04 [mm]
  rect 0.6x2 smd: 1(-0.95,0) 2(0.95,0)
JST_S2B-PH-K-S(LF)(SN) [mm]
  rect 1.208x1.208 hole 0.7: 1(1,0)
  round 1.208 hole 0.7: 2(-1,0)
  silkscreen extent -2.95,-6.25 2.95,2
"LED 0805_2012" [mm] "Chip Diode, 2-Leads, Body 2.00x1.25mm, IPC Medium Density"
  rect 1.2x1.2 smd: 1(-1.05,0) 2(1.05,0)
  silkscreen extent -2.03,-0.9 2.03,0.9, body extent -1,-0.63 1,0.63, height 0.9
"LED 0805_2012 GREEN" [mm] "Chip Diode, 2-Leads, Body 2.00x1.25mm, IPC Medium Density"
  rect 1.2x1.2 smd: 1(-1.05,0) 2(1.05,0)
  silkscreen extent -2.03,-0.9 2.03,0.9, body extent -1,-0.63 1,0.63, height 0.9
"LED 0805_2012 RED" [mm] "Chip Diode, 2-Leads, Body 2.00x1.25mm, IPC Medium Density"
  rect 1.2x1.2 smd: 1(-1.05,0) 2(1.05,0)
  silkscreen extent -2.03,-0.9 2.03,0.9, body extent -1,-0.63 1,0.63, height 0.9
"NKK SS312SAH4" [mm]
  rect 2.55x1 smd: 1(2.825,-2) 2(2.825,0) 3(2.825,2)
  rect 1.7x1.7 smd: M(-0.651,-4.9) M(-0.651,4.9)
  silkscreen extent -2,-4.6 2,4.6, body extent -3.98,-5.25 3.42,5.25, height 2.9
Omron_A6H-4101_0 [mm]
  rect 1.25x0.76 smd paste+0 mask+0: 1(-3.075,1.905) 2(-3.075,0.635) 3(-3.075,-0.635) 4(-3.075,-1.905) 5(3.075,-1.905) 6(3.075,-0.635) 7(3.075,0.635) 8(3.075,1.905)
  silkscreen extent -4.48,-3.16 2,3.16, body extent -3.39,-3.13 3.31,3.18, height 1.56
QFN44G-0.5-7X7MM_MCU-ATMEGA32U4-MUR(VQFN44)(Primary) [mm]
  rect 1x0.3 smd mask+0.075: 1(-3.35,2.5) 2(-3.35,2) 3(-3.35,1.5) 4(-3.35,1) 5(-3.35,0.5) 6(-3.35,0) 7(-3.35,-0.5) 8(-3.35,-1) 9(-3.35,-1.5) 10(-3.35,-2) 11(-3.35,-2.5) 23(3.35,-2.5) 24(3.35,-2) 25(3.35,-1.5) 26(3.35,-1) 27(3.35,-0.5) 28(3.35,0) 29(3.35,0.5) 30(3.35,1) 31(3.35,1.5) 32(3.35,2) 33(3.35,2.5)
  rect 0.3x1 smd mask+0.075: 12(-2.5,-3.35) 13(-2,-3.35) 14(-1.5,-3.35) 15(-1,-3.35) 16(-0.5,-3.35) 17(0,-3.35) 18(0.5,-3.35) 19(1,-3.35) 20(1.5,-3.35) 21(2,-3.35) 22(2.5,-3.35) 34(2.5,3.35) 35(2,3.35) 36(1.5,3.35) 37(1,3.35) 38(0.5,3.35) 39(0,3.35) 40(-0.5,3.35) 41(-1,3.35) 42(-1.5,3.35) 43(-2,3.35) 44(-2.5,3.35)
  rect 5.08x5.08 smd: TAB(0,0)
  silkscreen extent -4.19,-3.5 3.5,3.56
"RES 0805_2012" [mm] "Chip Resistor, 2-Leads, Body 2.00x1.25mm, IPC Medium Density"
  rect 1.15x1.35 smd: 1(-0.875,0) 2(0.875,0)
  silkscreen extent -1.7,-0.9 1.7,0.9, body extent -0.95,-0.62 1.05,0.63, height 0.6
RN42-LAND [mm]
  oval 1.5x0.8 smd: 1(0,16.2) 2(0,15) 3(0,13.8) 4(0,12.6) 5(0,11.4) 6(0,10.2) 7(0,9) 8(0,7.8) 9(0,6.6) 10(0,5.4) 11(0,4.2) 12(0,3) 13(13.3,3) 14(13.3,4.2) 15(13.3,5.4) 16(13.3,6.6) 17(13.3,7.8) 18(13.3,9) 19(13.3,10.2) 20(13.3,11.4) 21(13.3,12.6) 22(13.3,13.8) 23(13.3,15) 24(13.3,16.2)
  oval 0.8x1.5 smd: 28(9.8,0.2) 29(3.6,0.2) 30(10.8,0.2) 31(8.5,0.2) 32(7.3,0.2) 33(6.1,0.2) 34(4.9,0.2) 35(2.6,0.2)
  silkscreen extent 0,0 13.3,25.4
SiP32431_TDFN4 [mm]
  rect 0.3x0.55 smd mask+0.05: 1(-0.25,-0.75) 2(0.25,-0.75) 3(0.25,0.725) 4(-0.25,0.725)
  rect 0.81x0.5 smd mask+0.05: 5(0,0)
  silkscreen extent -0.6,-0.8 0.6,0.8
SMA [mm]
  rect 2.18x1.528 smd paste+0 mask+0: 1(-1.857,0) 2(1.857,0)
  silkscreen extent -4.57,-1.59 2.92,1.59, body extent -2.79,-1.46 2.8,1.46, height 2.35
SOD123F [mm] "SODFL, 2-Leads, Body 1.60x3.50mm, IPC Medium Density"
  rect 1.2x1.2 smd: 1(-1.43,0) 2(1.43,0)
  silkscreen extent -2.41,-1.02 2.41,1.02, body extent -1.75,-0.8 1.75,0.8, height 1.1
SOD-123 [mm] "SOD, 2-Leads, Body 1.55x3.70mm, IPC Medium Density"
  rect 0.9x0.95 smd: 1(-1.575,0) 2(1.575,0)
  silkscreen extent -2.3,-0.92 2.41,0.92, body extent -1.86,-0.78 1.86,0.77, height 1.35
SOP65P490X110-8N [mil]
  rect 54x18 smd: 1(-87,38) 2(-87,13) 3(-87,-13) 4(-87,-38) 5(87,-38) 6(87,-13) 7(87,13) 8(87,38)
  silkscreen extent -54,-59 54,59